# Altium PCB kunkun.PcbDoc (part 2 of 8)
Units mil, origin at the board's own origin, x right, y up, seen from the top; angles counter-clockwise.
Board outline 11417.32 x 6911.54 mil, 2 copper layers (Top Layer, Bottom Layer), stack 28 mil thick; 1172 components, 690 nets, 3402 pads, 1297 vias.
Unrouted connection lines stored in the file: 210.
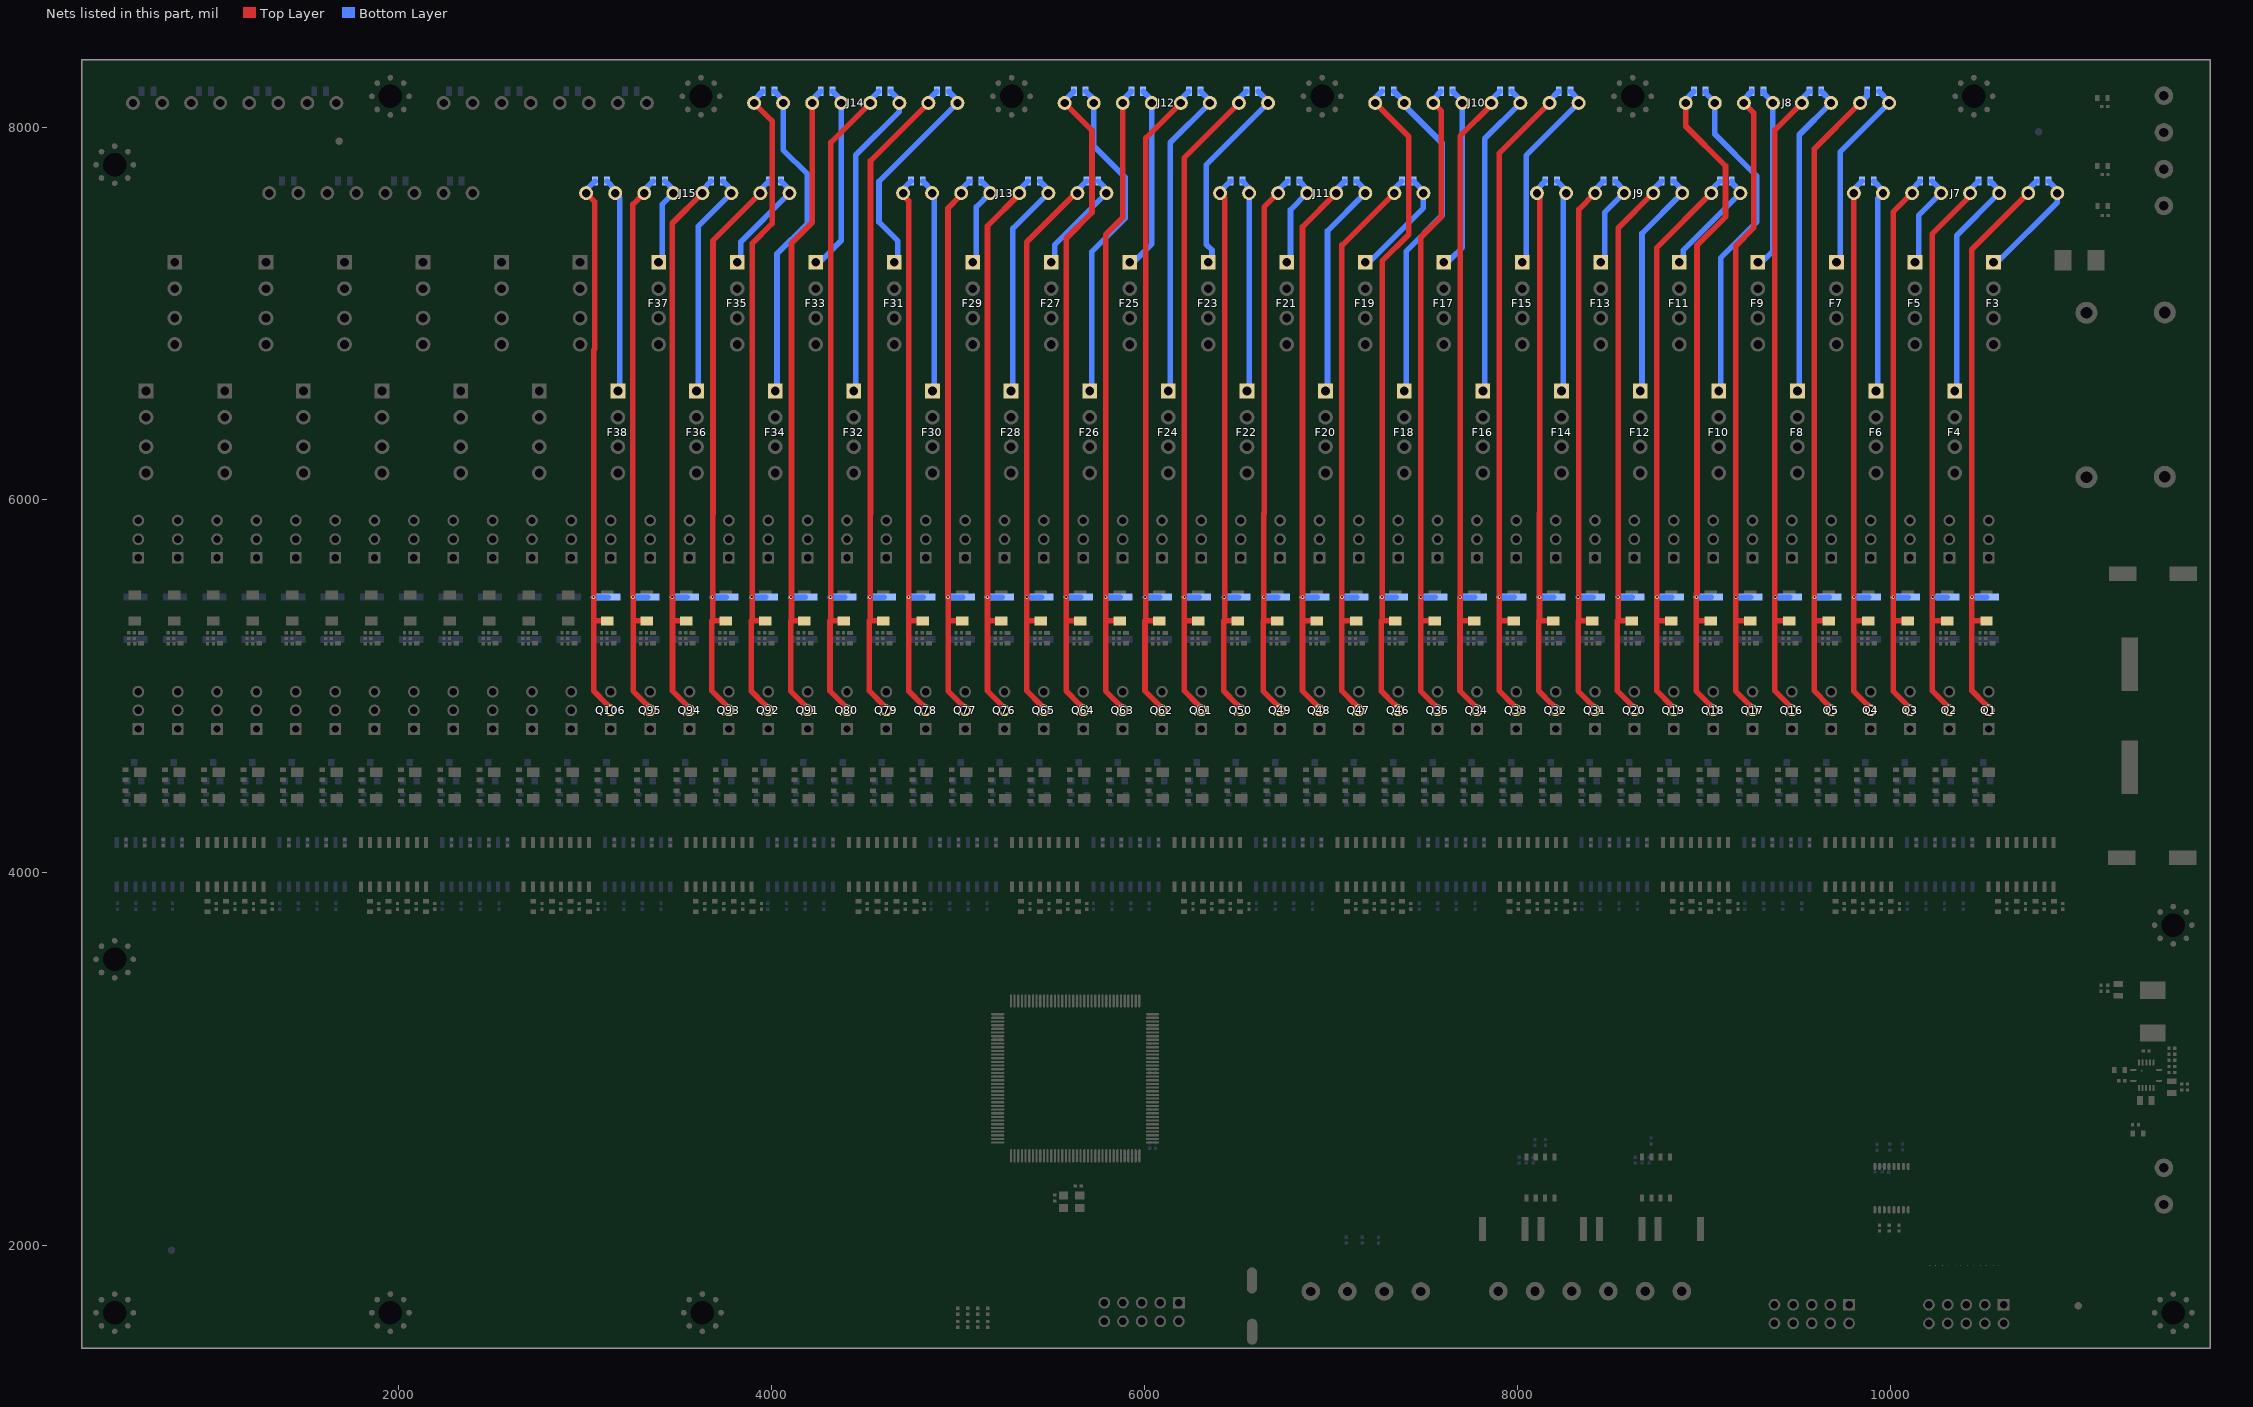
[diagram p2: the nets of this part, all layers, seen from the top]

## Components (designator, comment, footprint, x,y, rotation, side; value= is the part's Value field where it differs from the comment) (continued)
R262 "R" R0402 7101.73,5272.67 r90 top value=470
R263 "R" R0402 6890.48,5272.67 r90 top value=470
R264 "R" R0402 6679.23,5272.67 r90 top value=470
R265 "R" R0402 6467.98,5272.67 r90 top value=470
R266 "R" R0402 7343.67,5272.71 r90 top value=4.7K
R267 "R" R0402 7132.39,5272.71 r90 top value=4.7K
R268 "R" R0402 6921.11,5272.71 r90 top value=4.7K
R269 "R" R0402 6709.83,5272.71 r90 top value=4.7K
R270 "R" R0402 6498.55,5272.71 r90 top value=4.7K
R271 "R" R0402 7328.73,5229.47 r0 top value=4.7K
R272 "R" R0402 7117.48,5229.47 r0 top value=4.7K
R273 "R" R0402 6906.23,5229.47 r0 top value=4.7K
R274 "R" R0402 6694.98,5229.47 r0 top value=4.7K
R275 "R" R0402 6483.73,5229.47 r0 top value=4.7K
R276 "R" R0603 6233.13,4412.67 r270 top value=33K
R277 "R" R0603 6022.09,4412.67 r270 top value=33K
R278 "R" R0603 5811.05,4412.67 r270 top value=33K
R279 "R" R0603 5600.01,4412.67 r270 top value=33K
R280 "R" R0603 5388.98,4412.67 r270 top value=33K
R281 "R" R2512 6293.32,5364.81 r270 bottom value=47K
R282 "R" R2512 6082.06,5364.81 r270 bottom value=47K
R283 "R" R2512 5870.79,5364.81 r270 bottom value=47K
R284 "R" R2512 5659.53,5364.81 r270 bottom value=47K
R285 "R" R2512 5448.27,5364.81 r270 bottom value=47K
R286 "R" R0603 6233.05,4526.32 r90 top value=100K
R287 "R" R0603 6022.02,4526.32 r90 top value=100K
R288 "R" R0603 5810.98,4526.32 r90 top value=100K
R289 "R" R0603 5599.94,4526.32 r90 top value=100K
R290 "R" R0603 5388.91,4526.32 r90 top value=100K
R291 "R" R0603 6241.32,4394.18 r90 bottom value=10K
R292 "R" R0603 6030.34,4394.18 r90 bottom value=10K
R293 "R" R0603 5819.37,4394.18 r90 bottom value=10K
R294 "R" R0603 5608.4,4394.18 r90 bottom value=10K
R295 "R" R0603 5397.43,4394.18 r90 bottom value=10K
R296 "R" R0402 6256.73,5272.67 r90 top value=470
R297 "R" R0402 6045.48,5272.67 r90 top value=470
R298 "R" R0402 5834.23,5272.67 r90 top value=470
R299 "R" R0402 5622.97,5272.67 r90 top value=470
R300 "R" R0402 5411.72,5272.67 r90 top value=470
R301 "R" R0402 6287.27,5272.71 r90 top value=4.7K
R302 "R" R0402 6075.99,5272.71 r90 top value=4.7K
R303 "R" R0402 5864.71,5272.71 r90 top value=4.7K
R304 "R" R0402 5653.42,5272.71 r90 top value=4.7K
R305 "R" R0402 5442.14,5272.71 r90 top value=4.7K
R306 "R" R0402 6272.48,5229.47 r0 top value=4.7K
R307 "R" R0402 6061.22,5229.47 r0 top value=4.7K
R308 "R" R0402 5849.97,5229.47 r0 top value=4.7K
R309 "R" R0402 5638.72,5229.47 r0 top value=4.7K
R310 "R" R0402 5427.47,5229.47 r0 top value=4.7K
R311 "R" R0603 5177.94,4412.67 r270 top value=33K
R312 "R" R0603 4966.9,4412.67 r270 top value=33K
R313 "R" R0603 4755.87,4412.67 r270 top value=33K
R314 "R" R0603 4544.83,4412.67 r270 top value=33K
R315 "R" R0603 4333.79,4412.67 r270 top value=33K
R316 "R" R2512 5237.01,5364.81 r270 bottom value=47K
R317 "R" R2512 5025.74,5364.81 r270 bottom value=47K
R318 "R" R2512 4814.48,5364.81 r270 bottom value=47K
R319 "R" R2512 4603.22,5364.81 r270 bottom value=47K
R320 "R" R2512 4391.96,5364.81 r270 bottom value=47K
R321 "R" R0603 5177.87,4526.32 r90 top value=100K
R322 "R" R0603 4966.83,4526.32 r90 top value=100K
R323 "R" R0603 4755.8,4526.32 r90 top value=100K
R324 "R" R0603 4544.76,4526.32 r90 top value=100K
R325 "R" R0603 4333.72,4526.32 r90 top value=100K
R326 "R" R0603 5186.46,4394.18 r90 bottom value=10K
R327 "R" R0603 4975.49,4394.18 r90 bottom value=10K
R328 "R" R0603 4764.52,4394.18 r90 bottom value=10K
R329 "R" R0603 4553.55,4394.18 r90 bottom value=10K
R330 "R" R0603 4342.58,4394.18 r90 bottom value=10K
R331 "R" R0402 5200.47,5272.67 r90 top value=470
R332 "R" R0402 4989.22,5272.67 r90 top value=470
R333 "R" R0402 4777.97,5272.67 r90 top value=470
R334 "R" R0402 4566.72,5272.67 r90 top value=470
R335 "R" R0402 4355.47,5272.67 r90 top value=470
R336 "R" R0402 5230.86,5272.71 r90 top value=4.7K
R337 "R" R0402 5019.58,5272.71 r90 top value=4.7K
R338 "R" R0402 4808.3,5272.71 r90 top value=4.7K
R339 "R" R0402 4597.02,5272.71 r90 top value=4.7K
R340 "R" R0402 4385.74,5272.71 r90 top value=4.7K
R341 "R" R0402 5216.22,5229.47 r0 top value=4.7K
R342 "R" R0402 5004.97,5229.47 r0 top value=4.7K
R343 "R" R0402 4793.72,5229.47 r0 top value=4.7K
R344 "R" R0402 4582.46,5229.47 r0 top value=4.7K
R345 "R" R0402 4371.21,5229.47 r0 top value=4.7K
R346 "R" R0603 4122.76,4412.67 r270 top value=33K
R347 "R" R0603 3911.72,4412.67 r270 top value=33K
R348 "R" R0603 3700.68,4412.67 r270 top value=33K
R349 "R" R0603 3489.64,4412.67 r270 top value=33K
R350 "R" R0603 3278.61,4412.67 r270 top value=33K
R351 "R" R2512 4180.7,5364.81 r270 bottom value=47K
R352 "R" R2512 3969.43,5364.81 r270 bottom value=47K
R353 "R" R2512 3758.17,5364.81 r270 bottom value=47K
R354 "R" R2512 3546.91,5364.81 r270 bottom value=47K
R355 "R" R2512 3335.65,5364.81 r270 bottom value=47K
R356 "R" R0603 4122.68,4526.32 r90 top value=100K
R357 "R" R0603 3911.65,4526.32 r90 top value=100K
R358 "R" R0603 3700.61,4526.32 r90 top value=100K
R359 "R" R0603 3489.57,4526.32 r90 top value=100K
R360 "R" R0603 3278.54,4526.32 r90 top value=100K
R361 "R" R0603 4131.61,4394.18 r90 bottom value=10K
R362 "R" R0603 3920.64,4394.18 r90 bottom value=10K
R363 "R" R0603 3709.66,4394.18 r90 bottom value=10K
R364 "R" R0603 3498.69,4394.18 r90 bottom value=10K
R365 "R" R0603 3287.72,4394.18 r90 bottom value=10K
R366 "R" R0402 4144.21,5272.67 r90 top value=470
R367 "R" R0402 3932.96,5272.67 r90 top value=470
R368 "R" R0402 3721.71,5272.67 r90 top value=470
R369 "R" R0402 3510.46,5272.67 r90 top value=470
R370 "R" R0402 3299.21,5272.67 r90 top value=470
R371 "R" R0402 4174.46,5272.71 r90 top value=4.7K
R372 "R" R0402 3963.18,5272.71 r90 top value=4.7K
R373 "R" R0402 3751.89,5272.71 r90 top value=4.7K
R374 "R" R0402 3540.61,5272.71 r90 top value=4.7K
R375 "R" R0402 3329.33,5272.71 r90 top value=4.7K
R376 "R" R0402 4159.96,5229.47 r0 top value=4.7K
R377 "R" R0402 3948.71,5229.47 r0 top value=4.7K
R378 "R" R0402 3737.46,5229.47 r0 top value=4.7K
R379 "R" R0402 3526.21,5229.47 r0 top value=4.7K
R380 "R" R0402 3314.96,5229.47 r0 top value=4.7K
R381 "R" R0603 3067.57,4412.67 r270 top value=33K
R382 "R" R0603 2856.53,4412.67 r270 top value=33K
R383 "R" R0603 2645.5,4412.67 r270 top value=33K
R384 "R" R0603 2434.46,4412.67 r270 top value=33K
R385 "R" R0603 2223.42,4412.67 r270 top value=33K
R386 "R" R2512 3124.38,5364.81 r270 bottom value=47K
R387 "R" R2512 2913.12,5364.81 r270 bottom value=47K
R388 "R" R2512 2701.86,5364.81 r270 bottom value=47K
R389 "R" R2512 2490.6,5364.81 r270 bottom value=47K
R390 "R" R2512 2279.34,5364.81 r270 bottom value=47K
R391 "R" R0603 3067.5,4526.32 r90 top value=100K
R392 "R" R0603 2856.46,4526.32 r90 top value=100K
R393 "R" R0603 2645.43,4526.32 r90 top value=100K
R394 "R" R0603 2434.39,4526.32 r90 top value=100K
R395 "R" R0603 2223.35,4526.32 r90 top value=100K
R396 "R" R0603 3076.75,4394.18 r90 bottom value=10K
R397 "R" R0603 2865.78,4394.18 r90 bottom value=10K
R398 "R" R0603 2654.81,4394.18 r90 bottom value=10K
R399 "R" R0603 2443.84,4394.18 r90 bottom value=10K
R400 "R" R0603 2232.87,4394.18 r90 bottom value=10K
R401 "R" R0402 3087.96,5272.67 r90 top value=470
R402 "R" R0402 2876.7,5272.67 r90 top value=470
R403 "R" R0402 2665.45,5272.67 r90 top value=470
R404 "R" R0402 2454.2,5272.67 r90 top value=470
R405 "R" R0402 2242.95,5272.67 r90 top value=470
R406 "R" R0402 3118.05,5272.71 r90 top value=4.7K
R407 "R" R0402 2906.77,5272.71 r90 top value=4.7K
R408 "R" R0402 2695.49,5272.71 r90 top value=4.7K
R409 "R" R0402 2484.21,5272.71 r90 top value=4.7K
R410 "R" R0402 2272.93,5272.71 r90 top value=4.7K
R411 "R" R0402 3103.7,5229.47 r0 top value=4.7K
R412 "R" R0402 2892.45,5229.47 r0 top value=4.7K
R413 "R" R0402 2681.2,5229.47 r0 top value=4.7K
R414 "R" R0402 2469.95,5229.47 r0 top value=4.7K
R415 "R" R0402 2258.7,5229.47 r0 top value=4.7K
R416 "R" R0603 2012.39,4412.67 r270 top value=33K
R417 "R" R0603 1801.35,4412.67 r270 top value=33K
R418 "R" R0603 1590.31,4412.67 r270 top value=33K
R419 "R" R0603 1379.27,4412.67 r270 top value=33K
R420 "R" R0603 1168.24,4412.67 r270 top value=33K
R421 "R" R2512 2068.07,5364.81 r270 bottom value=47K
R422 "R" R2512 1856.81,5364.81 r270 bottom value=47K
R423 "R" R2512 1645.55,5364.81 r270 bottom value=47K
R424 "R" R2512 1434.29,5364.81 r270 bottom value=47K
R425 "R" R2512 1223.02,5364.81 r270 bottom value=47K
R426 "R" R0603 2012.31,4526.32 r90 top value=100K
R427 "R" R0603 1801.28,4526.32 r90 top value=100K
R428 "R" R0603 1590.24,4526.32 r90 top value=100K
R429 "R" R0603 1379.2,4526.32 r90 top value=100K
R430 "R" R0603 1168.17,4526.32 r90 top value=100K
R431 "R" R0603 2021.9,4394.18 r90 bottom value=10K
R432 "R" R0603 1810.93,4394.18 r90 bottom value=10K
R433 "R" R0603 1599.96,4394.18 r90 bottom value=10K
R434 "R" R0603 1388.98,4394.18 r90 bottom value=10K
R435 "R" R0603 1178.01,4394.18 r90 bottom value=10K
R436 "R" R0402 2031.7,5272.67 r90 top value=470
R437 "R" R0402 1820.45,5272.67 r90 top value=470
R438 "R" R0402 1609.2,5272.67 r90 top value=470
R439 "R" R0402 1397.94,5272.67 r90 top value=470
R440 "R" R0402 1186.69,5272.67 r90 top value=470
R441 "R" R0402 2061.65,5272.71 r90 top value=4.7K
R442 "R" R0402 1850.36,5272.71 r90 top value=4.7K
R443 "R" R0402 1639.08,5272.71 r90 top value=4.7K
R444 "R" R0402 1427.8,5272.71 r90 top value=4.7K
R445 "R" R0402 1216.52,5272.71 r90 top value=4.7K
R446 "R" R0402 2047.45,5229.47 r0 top value=4.7K
R447 "R" R0402 1836.19,5229.47 r0 top value=4.7K
R448 "R" R0402 1624.94,5229.47 r0 top value=4.7K
R449 "R" R0402 1413.69,5229.47 r0 top value=4.7K
R450 "R" R0402 1202.44,5229.47 r0 top value=4.7K
R451 "R" R0603 957.2,4412.67 r270 top value=33K
R452 "R" R2512 1011.76,5364.81 r270 bottom value=47K
R453 "R" R0603 957.13,4526.32 r90 top value=100K
R454 "R" R0603 967.04,4394.18 r90 bottom value=10K
R455 "R" R0402 975.44,5272.67 r90 top value=470
R456 "R" R0402 1005.24,5272.71 r90 top value=4.7K
R457 "R" R0402 991.19,5229.47 r0 top value=4.7K
R458 "R" R0603 746.16,4412.67 r270 top value=33K
R459 "R" R2512 800.5,5364.81 r270 bottom value=47K
R460 "R" R0603 746.09,4526.32 r90 top value=100K
R461 "R" R0603 756.07,4394.18 r90 bottom value=10K
R462 "R" R0402 764.19,5272.67 r90 top value=470
R463 "R" R0402 793.96,5272.71 r90 top value=4.7K
R464 "R" R0402 779.94,5229.47 r0 top value=4.7K
R465 "R" R0603 535.13,4412.67 r270 top value=33K
R466 "R" R2512 589.24,5364.81 r270 bottom value=47K
R467 "R" R0603 535.06,4526.32 r90 top value=100K
R468 "R" R0603 545.1,4394.18 r90 bottom value=10K
R469 "R" R0402 552.94,5272.67 r90 top value=470
R470 "R" R0402 582.68,5272.71 r90 top value=4.7K
R471 "R" R0402 568.69,5229.47 r0 top value=4.7K
U1 "EPM1270T144C5N" TQFP144_N 5628.49,2897.56 r90 top
U2 "TPS54620" TPS54620 11373.44,2914.13 r0 top
U3 "DS90LV048ATM" DS90LV048 10007.25,2309.09 r90 top
U4 "TLP2168" TLP2168 8124.16,2364.98 r90 top
U5 "TLP2168" TLP2168 8743.76,2364.98 r90 top
U6 "PS2801" PS2801 10265.74,4043.71 r90 bottom
U7 "PS2801" PS2801 9392.78,4043.71 r90 bottom
U8 "PS2801" PS2801 8519.81,4043.71 r90 bottom
U9 "PS2801" PS2801 7646.85,4043.71 r90 bottom
U10 "PS2801" PS2801 10702.22,4043.71 r90 top
U11 "PS2801" PS2801 9829.26,4043.71 r90 top
U12 "PS2801" PS2801 8956.29,4043.71 r90 top
U13 "PS2801" PS2801 8083.33,4043.71 r90 top
U14 "PS2801" PS2801 6773.89,4043.71 r90 bottom
U15 "PS2801" PS2801 5900.92,4043.71 r90 bottom
U16 "PS2801" PS2801 5027.96,4043.71 r90 bottom
U17 "PS2801" PS2801 4155,4043.71 r90 bottom
U18 "PS2801" PS2801 7210.37,4043.71 r90 top
U19 "PS2801" PS2801 5464.44,4043.71 r90 top
U20 "PS2801" PS2801 4591.48,4043.71 r90 top
U21 "PS2801" PS2801 6337.4,4043.71 r90 top
U22 "PS2801" PS2801 3282.03,4043.71 r90 bottom
U23 "PS2801" PS2801 2409.07,4043.71 r90 bottom
U24 "PS2801" PS2801 1536.11,4043.71 r90 bottom
U25 "PS2801" PS2801 3718.51,4043.71 r90 top
U26 "PS2801" PS2801 2845.55,4043.71 r90 top
U27 "PS2801" PS2801 1972.59,4043.71 r90 top
U28 "PS2801" PS2801 663.14,4043.71 r90 bottom
U29 "PS2801" PS2801 1099.62,4043.71 r90 top
Y1 "XTAL" OSC3225 5609.6,2235.02 r0 top
YTX1 "YTX" YTX 8095.29,2553.85 r270 top
YTX2 "YTX" YTX 9929.93,2528.29 r270 top
YTX3 "YTX" YTX 9997.02,2529.35 r270 top
YTX4 "YTX" YTX 8151.79,2553.85 r270 top
YTX5 "YTX" YTX 10066.17,2529.34 r270 top
YTX6 "YTX" YTX 7082.72,2029.91 r90 top
YTX7 "YTX" YTX 7168.99,2029.91 r90 top
YTX8 "YTX" YTX 7255.27,2029.91 r90 top
YTX9 "YTX" YTX 8717.35,2557.94 r270 top
YTX10 "YTX" YTX 10566.97,1894.27 r180 top
YTX11 "YTX" YTX 10499.2,1894.27 r0 top
YTX12 "YTX" YTX 10431.43,1894.27 r180 top
YTX13 "YTX" YTX 10364.13,1894.08 r0 top
YTX14 "YTX" YTX 10295.88,1894.27 r180 top
YTX15 "YTX" YTX 10228.25,1894.27 r0 top

## Footprints (in the part's own frame and the unit in brackets; to place one, negate y for a bottom-side part, rotate by r counter-clockwise, add the part's x,y. Pads: shape width x height; smd on the part's side, far side on the other; paste and mask are expansions set on the pad)
1N4148 [mil] "稳压二极管，高速开关二极管"
  rect 67x49 smd: 1(0,70) 2(0,-70)
  silkscreen extent -39,-100 39,100
C0402 [mm] "C0402"
  rect 0.45x0.45 smd: 1(-0.4,0) 2(0.4,0)
  silkscreen extent -0.75,-0.35 0.75,0.35, body extent -0.5,-0.25 0.5,0.25, height 0.52
C0603 [mm] "C0603"
  rect 0.6x0.8 smd: 1(-0.7,0) 2(0.7,0)
  silkscreen extent -1.1,-0.5 1.1,0.5, body extent -0.81,-0.4 0.79,0.41, height 0.5
C0805 [mm] "C0805"
  rect 0.8x1.25 smd: 1(-0.8,0) 2(0.8,0)
  silkscreen extent -1.35,-0.75 1.35,0.75, body extent -0.99,-0.66 1.01,0.67, height 1.19
C_10_10R2 [mm]
  rect 3.75x1.95 smd: 1(-4.15,0) 2(4.15,0)
  silkscreen extent -5.15,-5.15 5.15,5.15, body extent -5.25,-5.25 5.25,5.25, height 10.2
C_18_21 [mm] "Aluminum Electrolytic Capacitor, Body 19.00x19.00x21.00mm, IPC High Density"
  rect 7.3x2.3 smd: 1(-7.025,0) 2(7.025,0)
  silkscreen extent -9.5,-9.5 9.5,9.5, body extent -10.2,-9.5 10.2,9.5, height 21
DS90LV048 [mm]
  oval 1x0.4 smd: 1(-2.95,2.275) 2(-2.95,1.625) 3(-2.95,0.975) 4(-2.95,0.325) 5(-2.95,-0.325) 6(-2.95,-0.975) 7(-2.95,-1.625) 8(-2.95,-2.275) 9(2.95,-2.275) 10(2.95,-1.625) 11(2.95,-0.975) 12(2.95,-0.325) 13(2.95,0.325) 14(2.95,0.975) 15(2.95,1.625) 16(2.95,2.275)
  silkscreen extent -2.2,-2.5 2.2,2.5, body extent -3.16,-2.51 3.26,2.49, height 1.2
F-TH [mil]
  rect 79x79 hole 47: 1(-220,0)
  round 79 hole 47: 2(220,0) NC1(-79,0) NC2(79,0)
  silkscreen extent -275,-98 275,98
F-TH2 [mm]
  round 3 hole 1.6: 1(-11.2,0) 2(11.2,0)
  silkscreen extent -15,-5 15,5
FM4007-T(A7) [mil] "整流二极管"
  rect 110x91 smd: 1(71,61) 2(71,238)
  silkscreen extent 0,0 142,311
FXL0624 [mm]
  rect 2.35x3.5 smd: 1(-2.9,0) 2(2.9,0)
  silkscreen extent -3.5,-3.3 3.5,3.3, body extent -3.74,-3.3 3.74,3.3, height 2.35
HDR1X8 [mm]
  round 1.9 hole 1.15: 1(6.401,-44.145) 2(10.359,-44.145) 3(14.317,-44.145) 4(18.275,-44.145) 5(22.233,-44.145) 6(26.192,-44.145) 7(30.15,-44.145) 8(34.108,-44.145)
  silkscreen extent 3.01,-48.08 37.52,-41.86
HDR2X5-NJ [mm]
  rect 1.6x1.6 hole 1.02: 1(-5.08,-1.27)
  round 1.6 hole 1.02: 2(-5.08,1.27) 3(-2.54,-1.27) 4(-2.54,1.27) 5(0,-1.27) 6(0,1.27) 7(2.54,-1.27) 8(2.54,1.27) 9(5.08,-1.27) 10(5.08,1.27)
  silkscreen extent -10.15,-4.45 10.15,4.45, body extent -10.15,-4.5 10.15,4.6, height 9
KEY735SO [mil] "KEY735SO"
  oval 140x55.12 smd: 1(-137.5,-1.9) 2(137.5,-0.9)
  silkscreen extent -138,-69 138,69, body extent -190,-65 190,65, height 197
KF301-5.0-2P [mm] "5.0间距螺钉端子"
  round 2.54 hole 1.27: 1(-2.5,0) 2(2.5,0)
  silkscreen extent -5.08,-3.23 5.46,4.57, body extent -5.03,-3.19 5.47,4.51, height 10.16
KF301-5.0-4P [mm]
  round 2.54 hole 1.27: 1(-7.5,0) 2(-2.5,0) 3(2.5,0) 4(7.5,0)
  silkscreen extent -10.08,-3.23 10.37,4.57
KF301-5.0-6P [mm]
  round 2.54 hole 1.27: 1(-12.5,0) 2(-7.5,0) 3(-2.5,0) 4(2.5,0) 5(7.5,0) 6(12.5,0)
  silkscreen extent -15.08,-3.23 15.45,4.57
LED0603 [mm] "Chip LED, 2-Leads, Body 1.60x0.80mm, IPC High Density"
  rect 0.6x0.8 smd: 1(-0.7,0) 2(0.7,0)
  silkscreen extent -1.1,-0.56 1.1,0.56, body extent -0.85,-0.39 0.85,0.41, height 0.65
MARKPOINT-1.0#1 [mm]
  round 1 smd: ""(0,0)
  round 3 on Bottom Solder: ""(0,0)
  Top Layer pour cut-out: 0,-1.486 -0.569,-1.373 -1.051,-1.051 -1.373,-0.569 -1.486,0 -1.486,0 -1.373,0.569 -1.051,1.051 -0.569,1.373 0,1.486 0,1.486 0.569,1.373 1.051,1.051 1.373,0.569 1.486,0 1.486,0 1.373,-0.569 1.051,-1.051 0.569,-1.373 0,-1.486
MARKPOINT-1.0#2 [mm]
  round 1 smd: ""(0,0)
  round 3 on Top Solder: ""(0,0)
  Top Layer pour cut-out: 0,-1.486 -0.569,-1.373 -1.051,-1.051 -1.373,-0.569 -1.486,0 -1.486,0 -1.373,0.569 -1.051,1.051 -0.569,1.373 0,1.486 0,1.486 0.569,1.373 1.051,1.051 1.373,0.569 1.486,0 1.486,0 1.373,-0.569 1.051,-1.051 0.569,-1.373 0,-1.486
OSC3225 [mm]
  rect 1.25x1.1 smd: 1(-1.1,-0.85) 2(1.1,-0.85) 3(1.1,0.85) 4(-1.1,0.85)
  silkscreen extent -1.67,-1.27 1.65,1.27, body extent -1.6,-1.25 1.6,1.25, height 1.13
POSHOLE-3.2 [mil] "3.2mm hole"
  round 30 smd: ""(-100,0) ""(-70.71,-70.71) ""(-70.71,70.71) ""(0,100) ""(0,-100) ""(70.71,-70.71) ""(70.71,70.71) ""(100,0)
  round 30 smd far side: ""(-100,0) ""(-70.71,-70.71) ""(-70.71,70.71) ""(0,100) ""(0,-100) ""(70.71,-70.71) ""(70.71,70.71) ""(100,0)
  round 0 hole 125.98 unplated: ""(0,0)
  Top Layer pour cut-out: 0,-126.49 -48.41,-116.86 -89.44,-89.44 -116.86,-48.41 -126.49,0 -126.49,0 -116.86,48.41 -89.44,89.44 -48.41,116.86 0,126.49 0,126.49 48.41,116.86 89.44,89.44 116.86,48.41 126.49,0 126.49,0 116.86,-48.41 89.44,-89.44 48.41,-116.86 0,-126.49
  Bottom Layer pour cut-out: 0,-126.49 -48.41,-116.86 -89.44,-89.44 -116.86,-48.41 -126.49,0 -126.49,0 -116.86,48.41 -89.44,89.44 -48.41,116.86 0,126.49 0,126.49 48.41,116.86 89.44,89.44 116.86,48.41 126.49,0 126.49,0 116.86,-48.41 89.44,-89.44 48.41,-116.86 0,-126.49
  silkscreen extent -125,-125 125,125
PS2801 [mm] "SOP, 16-Leads, Body 10.28x4.40mm, Pitch 1.27mm, IPC High Density"
  rect 1.45x0.55 smd: 1(-3.025,4.445) 2(-3.025,3.175) 3(-3.025,1.905) 4(-3.025,0.635) 5(-3.025,-0.635) 6(-3.025,-1.905) 7(-3.025,-3.175) 8(-3.025,-4.445) 9(3.025,-4.445) 10(3.025,-3.175) 11(3.025,-1.905) 12(3.025,-0.635) 13(3.025,0.635) 14(3.025,1.905) 15(3.025,3.175) 16(3.025,4.445)
  silkscreen extent -2.2,-5.14 2.2,5.14
R0402 [mm] "R0402"
  rect 0.45x0.45 smd: 1(-0.4,0) 2(0.4,0)
  silkscreen extent -0.75,-0.35 0.75,0.35, body extent -0.51,-0.25 0.49,0.25, height 0.3
R0603 [mm] "R0603"
  rect 0.6x0.8 smd: 1(-0.7,-0.001) 2(0.7,-0.001)
  silkscreen extent -1.1,-0.5 1.1,0.5, body extent -0.8,-0.4 0.8,0.4, height 0.4
R2512 [mm] "Chip Resistor, 2-Leads, Body 6.35x3.20mm, IPC High Density"
  rect 0.95x3.3 smd: 1(-2.9,0) 2(2.9,0)
  silkscreen extent -2.05,-1.55 2.05,1.55
TLP2168 [mm]
  rect 0.95x0.55 smd: 1(-2.8,1.905) 2(-2.8,0.635) 3(-2.8,-0.635) 4(-2.8,-1.905) 5(2.8,-1.905) 6(2.8,-0.635) 7(2.8,0.635) 8(2.8,1.905)
  silkscreen extent -1.97,-2.55 1.97,2.55
TO-220AB [mm] "TO, Thru-Hole, Vertical, Heatsink Mounted; 3 In-Line Leads; Pitch 2.54 mm"
  rect 1.6x1.6 hole 1: 1(-2.54,0)
  round 1.6 hole 1: 2(0,0) 3(2.54,0)
  silkscreen extent -5.35,-1.85 5.35,2.85, body extent -5.4,-1.9 5.4,2.9, height 19.3
TPS54620 [mm] "VQFN_3_5"
  oval 0.85x0.28 smd paste-0.04: 1(-1.763,-0.75) 7(1.737,-0.75) 8(1.737,0.75) 14(-1.763,0.75)
  oval 0.28x0.85 smd paste-0.04: 2(-1.013,-1.716) 3(-0.513,-1.716) 4(-0.013,-1.716) 5(0.487,-1.716) 6(0.987,-1.716) 9(1.013,1.725) 10(0.513,1.725) 11(0.013,1.725) 12(-0.487,1.725) 13(-0.987,1.725)
  rect 0.2x0.2 smd paste+0: 15(-0.6,0.6)
  Top Layer region: 1.352,0.177 2.127,0.177 2.127,0.377 1.352,0.377
  Top Layer region: 1.352,-0.373 2.127,-0.373 2.127,-0.173 1.352,-0.173
  Top Layer region: -1.024,-1.024 1.026,-1.024 1.026,1.026 -1.024,1.026
  Top Layer region: 1.012,-0.374 1.399,-0.374 1.399,0.376 1.012,0.376
  Top Layer region: -1.012,0.374 -1.399,0.374 -1.399,-0.376 -1.012,-0.376
  Top Layer region: -1.35,0.375 -2.124,0.375 -2.124,0.175 -1.35,0.175
  Top Layer region: -1.35,-0.175 -2.124,-0.175 -2.124,-0.375 -1.35,-0.375
  silkscreen extent -1.75,-1.75 1.75,1.75, body extent -1.77,-1.77 1.77,1.77, height 0.82
TQFP144_N [mm] "Thin QFP, 144-Leads, Body 20x20mm, Pitch 0.5mm, IPC Medium Density"
  oval 1.8x0.3 smd: 1(-10.55,8.75) 2(-10.55,8.25) 3(-10.55,7.75) 4(-10.55,7.25) 5(-10.55,6.75) 6(-10.55,6.25) 7(-10.55,5.75) 8(-10.55,5.25) 9(-10.55,4.75) 10(-10.55,4.25) 11(-10.55,3.75) 12(-10.55,3.25) 13(-10.55,2.75) 14(-10.55,2.25) 15(-10.55,1.75) 16(-10.55,1.25) 17(-10.55,0.75) 18(-10.55,0.25) 19(-10.55,-0.25) 20(-10.55,-0.75) 21(-10.55,-1.25) 22(-10.55,-1.75) 23(-10.55,-2.25) 24(-10.55,-2.75) 25(-10.55,-3.25) 26(-10.55,-3.75) 27(-10.55,-4.25) 28(-10.55,-4.75) 29(-10.55,-5.25) 30(-10.55,-5.75) 31(-10.55,-6.25) 32(-10.55,-6.75) 33(-10.55,-7.25) 34(-10.55,-7.75) 35(-10.55,-8.25) 36(-10.55,-8.75) 73(10.55,-8.75) 74(10.55,-8.25) 75(10.55,-7.75) 76(10.55,-7.25) 77(10.55,-6.75) 78(10.55,-6.25) 79(10.55,-5.75) 80(10.55,-5.25) 81(10.55,-4.75) 82(10.55,-4.25) 83(10.55,-3.75) 84(10.55,-3.25) 85(10.55,-2.75) 86(10.55,-2.25) 87(10.55,-1.75) 88(10.55,-1.25) 89(10.55,-0.75) 90(10.55,-0.25) 91(10.55,0.25) 92(10.55,0.75) 93(10.55,1.25) 94(10.55,1.75) 95(10.55,2.25) 96(10.55,2.75) 97(10.55,3.25) 98(10.55,3.75) 99(10.55,4.25) 100(10.55,4.75) 101(10.55,5.25) 102(10.55,5.75) 103(10.55,6.25) 104(10.55,6.75) 105(10.55,7.25) 106(10.55,7.75) 107(10.55,8.25) 108(10.55,8.75)